# Altium PCB FMC_SDR_XFE.PcbDoc (part 2 of 4) (continued)
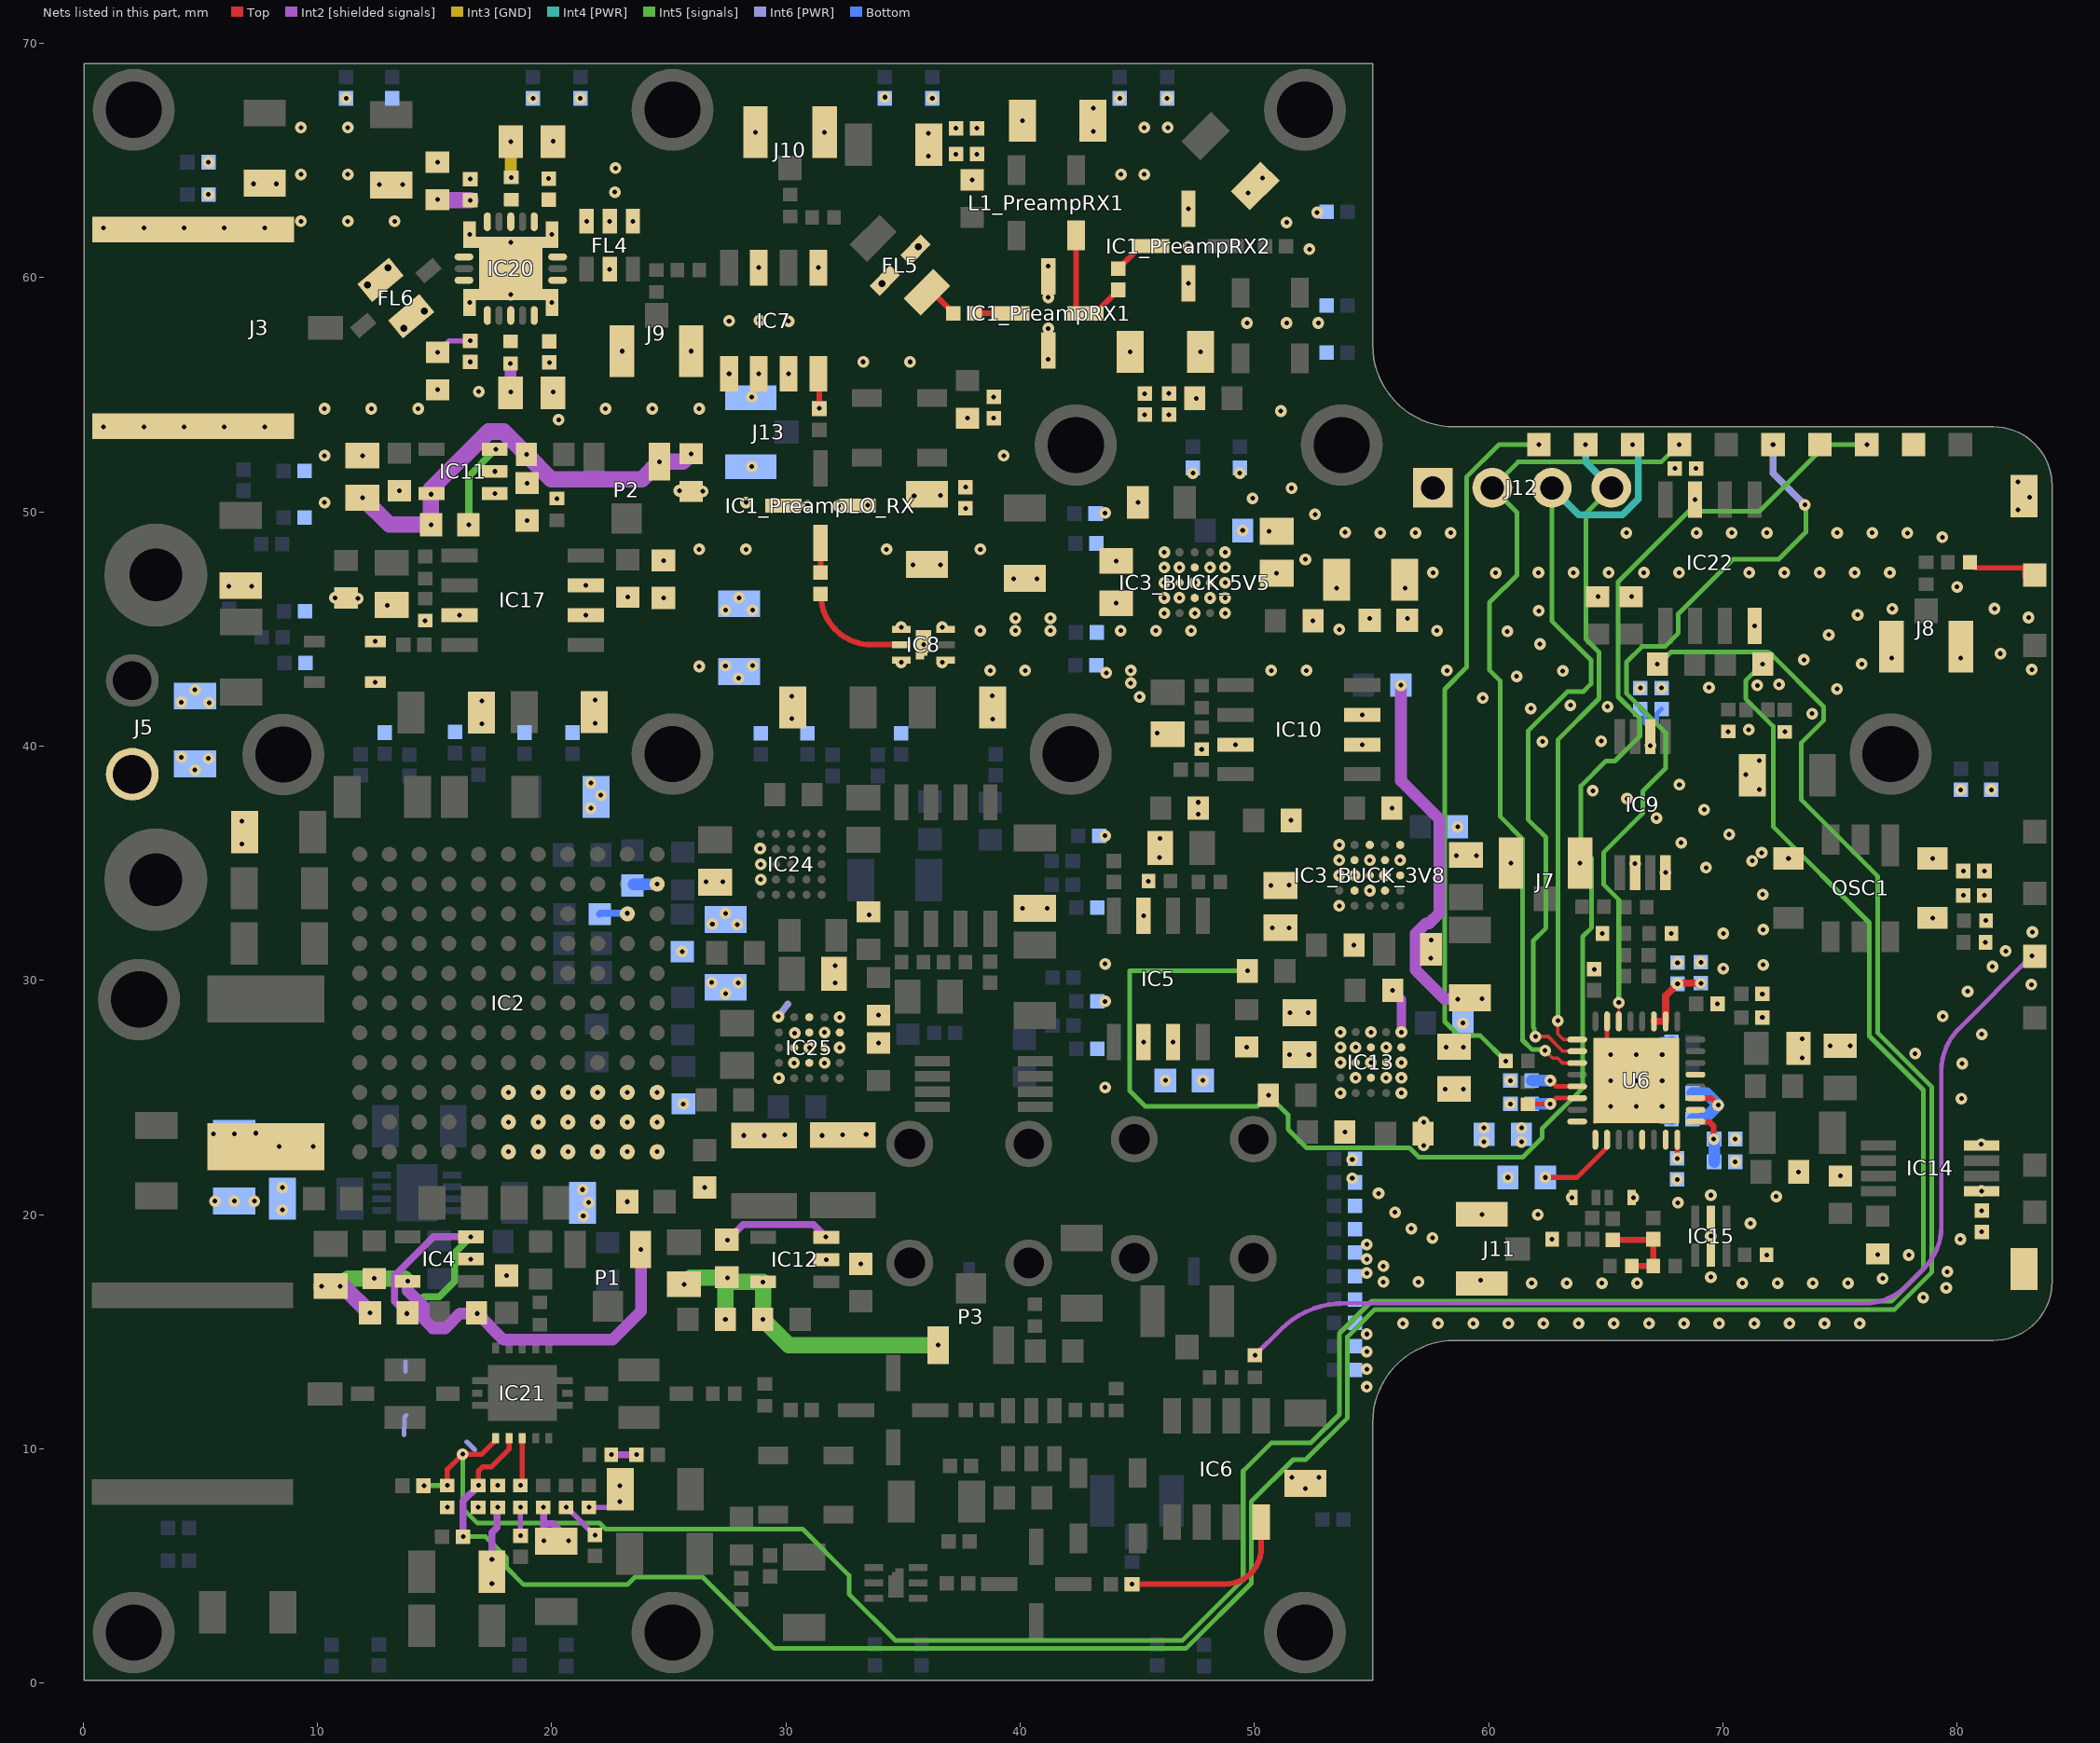
[diagram p8: the nets of this part, all layers, seen from the top]
## Part data (continued)
FL6: library part FIL_MINI-CIRCUITS_BFCN-8350+, "50 Ohm 8250 to 8450MHz Band Pass Filter", Manufacturer=MINI-CIRCUITS, Manufacturer Part Number=BFCN-8350+, Author="CERN DEM MR", ComponentHeight=1.04mm, Component Type=Standard, CreateDate=05.04.2019, HelpURL=\\cern.ch\dfs\Applications\Altium\Datasheets\FIL_MINI-CIRCUITS_BFCN-8350+.pdf, LatestRevisionDate=05.04.2019, Mounted=Yes, Part Description="50 Ohm Band Pass Filter", Part Number=FIL_MINI-CIRCUITS_BFCN-8350+, Pin Count=4, Sense=No, SMD=Yes, Socket=No, Status=None
IC1_PreampLO_RX IC1_PreampRX1 IC1_PreampRX2 IC23_PreampLO_TX IC23_PreampTX: "Monolithic Amplifier", Manufacturer=MINI-CIRCUITS, Author="CERN DEM JLC", Bonding=No, ComponentHeight=0.89mm, ComponentLink1Description="Package Drawing", ComponentLink1URL=\\cern.ch\dfs\Applications\Altium\Datasheets\LEE-39+_Package-Drawing.pdf, Component Type=Standard, CreateDate=17.01.2017, Device=LEE-39+, HelpURL=\\cern.ch\dfs\Applications\Altium\Datasheets\LEE-39+.pdf, LatestRevisionDate=17.01.2017, Manufacturer Part Number=LEE-39+, Mounted=Yes, PackageDescription="MINI-CIRCUITS FG873 Case, 4 pin, 3.0mm W X 3.0mm L", Part Description="DC-8GHz Monolithic Amplifier", Part Number=LEE-39+, Pin Count=4, PressFit=No, Sense=No, SMD=Yes, Socket=No
IC2: "58VIN, 48VOUT Buck-Boost µModule Regulator", Case=BGA121, Manufacturer="LINEAR TECHNOLOGY", Author="CERN DEM JLC", Bonding=No, ComponentHeight=5.12mm, Component Type=Standard, CreateDate=08.04.2019, Device=LTM8056IY#PBF, HelpURL=\\cern.ch\dfs\Applications\Altium\Datasheets\LTM8056IY#PBF.pdf, LatestRevisionDate=08.04.2019, Manufacturer Part Number=LTM8056IY#PBF, Mounted=Yes, PackageDescription="BGA,1.27mm Pitch, Square;121 Pin, 11 Columns X 11 Rows, 15.00mm X 15.00mm X 5.12mm H", Part Description="58VIN, 48VOUT Buck-Boost µModule Regulator", Part Number=LTM8056IY#PBF, Pin Count=121, PressFit=No, Sense=No, SMD=Yes, Socket=No
IC3_BUCK_3V8 IC3_BUCK_5V5 IC13 IC24 IC25: "40VIN, 1.2A Silent Switcher µModule Regulator", Case=BGA25, Manufacturer="LINEAR TECHNOLOGY", Author="CERN DEM JLC", Bonding=No, ComponentHeight=1.98mm, Component Type=Standard, CreateDate=08.04.2019, Device=LTM8074IY#PBF, HelpURL=\\cern.ch\dfs\Applications\Altium\Datasheets\LTM8074IY#PBF.pdf, LatestRevisionDate=08.04.2019, Manufacturer Part Number=LTM8074IY#PBF, Mounted=Yes, PackageDescription="BGA, 0.65mm Pitch, Square; 25 Pin, 5 Columns X 5 Rows, 4.00mm X 4.00mm X 1.98mm H", Part Description="40VIN, 1.2A Silent Switcher µModule Regulator", Part Number=LTM8074IY#PBF, Pin Count=25, PressFit=No, Sense=No, SMD=Yes, Socket=No
IC4 IC11 IC12: "200mA, Low Noise, Low Dropout Negative Micropower Regulator", Case=SOT23-5, Manufacturer="LINEAR TECHNOLOGY", Author="CERN DEM MR", Bonding=No, ComponentHeight=1mm, Component Type=Standard, CreateDate=17.02.2016, Device=LT1964ES5-BYP#TRMPBF, HelpURL=\\cern.ch\dfs\Applications\Altium\Datasheets\LT1964ES5-BYP#TRMPBF.pdf, LatestRevisionDate=17.02.2016, Manufacturer Part Number=LT1964ES5-BYP#TRMPBF, Mounted=Yes, PackageDescription="SOT23, 0.95mm pitch; 5 pin, 1.75mm W X 3.00mm L, IPC Medium Density", Part Description="-1.22V to -20V, 200mA, Low Noise, Low Dropout Negative Micropower Regulator", Part Number=LT1964ES5-BYP#TRMPBF, Pin Count=5, PressFit=No, Sense=No, SMD=Yes, Socket=No
IC5 IC10 IC17 IC19: "1.22V to 20V 500mA, Low Noise, LDO Adjustable Micropower Regulator", Case=SOIC8, Manufacturer="LINEAR TECHNOLOGY", Author="CERN DEM JLC", Bonding=No, ComponentHeight=1.75mm, Component Type=Standard, CreateDate=11.01.2010, Device=LT1763CS8#PBF, HelpURL=\\cern.ch\dfs\Applications\Altium\Datasheets\LT1763CS8#PBF.pdf, LatestRevisionDate=11.01.2010, Manufacturer Part Number=LT1763CS8#PBF, Mounted=Yes, PackageDescription="SOIC 8, Pitch 1.27mm, Body 4x5mm, IPC Medium Density", Part Description="1.22V to 20V 500mA, Low Noise, LDO Adjustable Micropower Regulator", Part Number=LT1763CS8#PBF, Pin Count=8, PressFit=No, Sense=No, SMD=Yes, Socket=No
IC6 IC7: "Level 7 (LO Power +7 dBm) 3400 to 15000 MHz", Manufacturer=MINI-CIRCUITS, Author="CERN DEM JLC", Bonding=No, ComponentHeight=2.21mm, Component Type=Standard, CreateDate=29.10.2014, Device=SIM-153+, HelpURL=\\cern.ch\dfs\Applications\Altium\Datasheets\SIM-24MH+.pdf, LatestRevisionDate=29.10.2014, Manufacturer Part Number=SIM-153+, Mounted=Yes, PackageDescription="MINI-CIRCUITS HV1195 Case, 1.27mm pitch; 8 pin, 4.57mm W X 5.08mm L", Part Description="Frequency Mixer - Level 13 (LO Power +13 dBm) 7300 to 20000MHz", Part Number=SIM-153+, Pin Count=8, PressFit=No, Sense=No, SMD=Yes, Socket=No
IC8 IC16: "DC to 18GHz, 2W, 50 Ohm, 4dB Attenuator", Manufacturer=MINI-CIRCUITS, Author="CERN DEM JLC", Bonding=No, ComponentHeight=0.85mm, Component Type=Standard, CreateDate=20.04.2015, Device=YAT-3+, HelpURL=\\cern.ch\dfs\Applications\Altium\Datasheets\YAT-3+.pdf, LatestRevisionDate=20.04.2015, Manufacturer Part Number=YAT-3+, Mounted=Yes, PackageDescription="MINI-CIRCUITS MC1630 Case, 0.65mm pitch, 6 pin, 2mm X 2mm X 0.85mm H body (w/thermal tab 0.65 X 1.25mm)", Part Description="DC to 18GHz,  2W, 50 Ohms, 3dB Attenuator", Part Number=YAT-3+, Pin Count=7, PressFit=No, Sense=No, SMD=Yes, Socket=No
IC9: "3.3 V and 2.5 V LVCMOS 1:2  High-Performance Clock Buffer", Case=TSSOP8, Manufacturer="TEXAS INSTRUMENTS", Author="CERN DEM JLC", Bonding=No, ComponentHeight=1.2mm, Component Type=Standard, CreateDate=28.02.2011, Device=CDCLVC1102PW, HelpURL=\\cern.ch\dfs\Applications\Altium\Datasheets\CDCLVC1102PW.pdf, LatestRevisionDate=28.02.2011, Manufacturer Part Number=CDCLVC1102PW, Mounted=Yes, PackageDescription="SOP, 0.65mm pitch; 8 pin, 4.40mm W X 3.00mm L X 1.20mm H body, IPC Medium Density", Part Description="3.3 V and 2.5 V LVCMOS 1:2 High-Performance Clock Buffer", Part Number=CDCLVC1102PW, Pin Count=8, PressFit=No, Sense=No, SMD=Yes, Socket=No
IC14 IC18: "3.3V 20Mbps RS485/RS422 Transceivers", Case=MSOP8, Manufacturer="LINEAR TECHNOLOGY", Author="CERN DEM JLC", Bonding=No, ComponentHeight=1.1mm, Component Type=Standard, CreateDate=14.12.2010, Device=LTC2851CMS8#PBF, HelpURL=\\cern.ch\dfs\Applications\Altium\Datasheets\LTC2851CMS8#PBF.pdf, LatestRevisionDate=14.12.2010, Manufacturer Part Number=LTC2851CMS8#PBF, Mounted=Yes, PackageDescription="SOP, 0.65mm pitch; 8 pin, 3.00mm W X 3.00mm L X 1.10mm H body, IPC Medium Density", Part Description="3.3V 20Mbps RS485/RS422 Transceivers", Part Number=LTC2851CMS8#PBF, Pin Count=8, PressFit=No, Sense=No, SMD=Yes, Socket=No
IC15: "2 Way-90° Power Splitter,50? 4000 to 8000 MHz", Manufacturer=MINI-CIRCUITS, Author="SH based on CERN", Bonding=No, ComponentHeight=0.84mm, Component Type=Standard, CreateDate=27.10.2019, Device=QCS-83+, HelpURL=\\cern.ch\dfs\Applications\Altium\Datasheets\ADP-2-1W+.pdf, LatestRevisionDate=27.10.2019, Manufacturer Part Number=QCS-83+, Mounted=Yes, PackageDescription=MINI-CIRCUITS_GE0805C-1, Part Description="2 Way-0°, 50 Ohms, 1 to 650MHz, Power Splitter/Combiner", Part Number=QCS-83+, Pin Count=6, PressFit=No, Sense=No, SMD=Yes, Socket=No
IC20: "7-14GHz GaAs Low Noise Amplifier", Case=QFN16, Manufacturer=QORVO, Author="CERN DEM JLC", Bonding=No, ComponentHeight=0.9mm, Component Type=Standard, CreateDate=01.04.2019, Device=QPA2609, HelpURL=\\cern.ch\dfs\Applications\Altium\Datasheets\QPA2609.pdf, LatestRevisionDate=01.04.2019, Manufacturer Part Number=QPA2609, Mounted=Yes, PackageDescription="QFN, 0.50mm Pitch, Square; 16 Pin, 4.00mm L X 4.00mm W X 0.9mm H Body (w/thermal Tab 2.75 X 2.75mm)", Part Description="7-14GHz GaAs Low Noise Amplifier", Part Number=QPA2609, Pin Count=17, PressFit=No, Sense=No, SMD=Yes, Socket=No
IC21: "7-10.5GHz 4.5W GaN Power Amplifier", Case=QFN16, Manufacturer=QORVO, Author="CERN DEM JLC", Bonding=No, ComponentHeight=1.91mm, Component Type=Standard, CreateDate=26.03.2019, Device=TGA3042-SM, HelpURL=\\cern.ch\dfs\Applications\Altium\Datasheets\TGA3042-SM.pdf, LatestRevisionDate=26.03.2019, Manufacturer Part Number=TGA3042-SM, Mounted=Yes, PackageDescription="QFN, 0.566mm Pitch X, 0.525 Pitch Y, Square; 16 Pin, 4.5mm L X 4.5mm W X 1.74mm H Body", Part Description="7-10.5GHz 4.5W GaN Power Amplifier", Part Number=TGA3042-SM, Pin Count=17, PressFit=No, Sense=No, SMD=Yes, Socket=No
IC22: "Precision, Unity-Gain Differential Amplifier", Case=SOIC8, Manufacturer="TEXAS INSTRUMENTS", Author="CERN DEM JLC", Bonding=No, ComponentHeight=1.75mm, Component Type=Standard, CreateDate=07.01.2008, Device=INA105KU, HelpURL=\\cern.ch\dfs\Applications\Altium\Datasheets\INA105KU.pdf, LatestRevisionDate=07.01.2008, Manufacturer Part Number=INA105KU, Mounted=Yes, PackageDescription="SOIC 8, Pitch 1.27mm, Body 4x5mm, IPC Medium Density", Part Description="Precision, Unity-Gain Differential Amplifier", Part Number=INA105KU, Pin Count=7, PressFit=No, Sense=No, SMD=Yes, Socket=No
IC26: "Adjustable 1.1A Single Resistor Low Dropout Regulator", Case=SON8, Manufacturer="LINEAR TECHNOLOGY", Author="CERN DEM JLC", Bonding=No, ComponentHeight=0.8mm, Component Type=Standard, CreateDate=18.01.2010, Device=LT3080EDD#PBF, HelpURL=\\cern.ch\dfs\Applications\Altium\Datasheets\LT3080EDD#PBF.pdf, LatestRevisionDate=18.01.2010, Manufacturer Part Number=LT3080EDD#PBF, Mounted=Yes, PackageDescription="SON, (DFN) 0.50mm,pitch; 8 pin,3.00mm W X 3.00mm L X 0.80mm H body (w/thermal tab 1.75 X2.48mm), IPC Medium Density", Part Description="0 To 36V Adjustable 1.1A Single Resistor Low Dropout Regulator", Part Number=LT3080EDD#PBF, Pin Count=9, PressFit=No, Sense=No, SMD=Yes, Socket=No
J1 J3: Manufacturer=TELEGARTNER, Manufacturer Part Number=J01151A0451, Part Number=TELEGARTNER_J01151A0451, Author="CERN DEM JLC", ComponentHeight=7mm, Component Type=Standard, CreateDate=27/10/2016, Family=SMA, HelpURL=\\cern.ch\dfs\Applications\Altium\Datasheets\TELEGARTNER_J01151A0451.pdf, LatestRevisionDate=27/10/2016, Mounted=Yes, Part Description="SMA 50 ohms Edge Mount Bulkhead Jack Receptacle", Pin Count=2, PressFit=No, Sense=No, SMD=No, Socket=No, Status=None
J2 J6: library part ROSENBERGER_19S103-400L5, Manufacturer=ROSENBERGER, Manufacturer Part Number=19S103-400L5, Author="CERN DEM JMW", ComponentHeight=4.1mm, Component Type=Standard, CreateDate=29.11.2017, Family=SMP, HelpURL=\\cern.ch\dfs\Applications\Altium\Datasheets\ROSENBERGER_19S103-400L5.pdf, LatestRevisionDate=29.11.2017, Mounted=Yes, Part Description="SMP Straight Plug PCB, 50 Ohms, DC to 26.5GHz", Part Number=ROSENBERGER_19S103-400L5, Pin Count=5, PressFit=No, Sense=No, SMD=Yes, Socket=No, Status=None
J4 J7 J8 J9 J10 J11 J13 J14: library part HIROSE_U.FL-R-SMT-1(10), Manufacturer="HIROSE (HRS)", Manufacturer Part Number=U.FL-R-SMT-1(10), Author="CERN DEM JLC", ComponentHeight=1.25mm, Component Type=Standard, CreateDate=24.03.2010, Family=U.FL, HelpURL=\\cern.ch\dfs\Applications\Altium\Datasheets\HIROSE_U.FL-R-SMT-1(10).pdf, LatestRevisionDate=24.03.2010, Mounted=Yes, Part Description="Up to 6GHz Ultra Small Surface Mount Male Coaxial Connectors U.FL Series", Part Number=HIROSE_U.FL-R-SMT-1(10), Pin Count=2, PressFit=No, Sense=No, SMD=Yes, Socket=No, Status=None
J5: library part CON_M80-5000000M5-02-333-00-000, "2pin (2 power), THT socket with M2 jackscrews", Manufacturer=Harwin, Part Number=M80-5L10405M5-02-333-00-000, Bonding=No, Case=M80-5000000M5-02-333-00-000, ComponentHeigth=6.05mm, Component Type=Standard, CreateDate=2018-06-18, Device=M80-5000000M5-02-333-00-000, HelpURL=https://www.harwin.com/products/M80-5000000M5-02-333-00-000/, LatestRevisionDate=2018-06-18, Manufacturer Part Number=M80-5000000M5-02-333-00-000, Mounted=Yes, PackageDescription="H=6.05mm, W=18mm, D=8.6mm", Part Description="2pin (2 power), THT socket with M2 jackscrews", Pin Count=6, PressFit=No, Sense=No, SMD=No, Socket=No
J12: library part SAMTEC_HW-04-15-L-S-400-150, "Connector 4 Male", Manufacturer=SAMTEC, Manufacturer Part Number=HW-04-15-L-S-400-150, Author="CERN DEM MR", ComponentHeight=16mm, Component Type=Standard, CreateDate=07.06.2018, Family="Header 4", HelpURL=\\cern.ch\dfs\Applications\Altium\Datasheets\SAMTEC_HW-04-15-L-S-400-150.pdf, LatestRevisionDate=07.06.2018, Mounted=Yes, Part Description="4 Contacts, Pitch 2.54mm, Single Row Straight .Flex Stack, Flexible Board Stacker (Stacker Height = 10.16mm(400), Tail Length 3.81mm (150))", Part Number=SAMTEC_HW-04-15-L-S-400-150, Pin Count=4, PressFit=No, Sense=No, SMD=No, Socket=No, Status=None
L1_PreampLO_RX L1_PreampRX1 L1_PreampRX2 L4_PreampLO_TX L4_PreampTX: library part IND_MINI-CIRCUITS_TCCH-80+, "50 Ohms, 50 to 8200 MHz RF Choke", Manufacturer=MINI-CIRCUITS, Manufacturer Part Number=TCCH-80+, Power=200mA, Resistance=0.1R, Author="CERN DEM JLC", ComponentHeight=3.81mm, Component Type=Standard, CreateDate=19.12.2011, HelpURL=\\cern.ch\dfs\Applications\Altium\Datasheets\IND_MINI-CIRCUITS_TCCH-80+.pdf, LatestRevisionDate=19.12.2011, Mounted=Yes, Part Description="50 Ohms, 50 to 8200 MHz RF Choke", Part Number=IND_MINI-CIRCUITS_TCCH-80+, Pin Count=4, Sense=No, SMD=Yes, Socket=No, Status=None
L2 L3: library part IND0402_15NH_2%_COILCRAFT_0402DC, "Inductor With Core", Case=0402, Manufacturer=COILCRAFT, Manufacturer Part Number=0402DC-15NXGRW, Power=1A, Resistance=0.115R, Tolerance=±2%, Author="CERN DEM JLC", ComponentHeight=0.61mm, Component Type=Standard, CreateDate=04.12.2018, HelpURL=\\cern.ch\dfs\Applications\Altium\Datasheets\IND0402_COILCRAFT_0402DC.pdf, LatestRevisionDate=04.12.2018, Mounted=Yes, Part Description="Ceramic Wirewound Chip Inductor, 0402DC Series", Part Number=IND0402_15NH_2%_COILCRAFT_0402DC, Pin Count=2, Sense=No, SMD=Yes, Socket=No, Status=None
OSC1: library part OSC_20MHZ_KYOCERA_KT7050A20000KAW33TAD, "Oscillator KYOCERA", Manufacturer=KYOCERA, Manufacturer Part Number=KT7050A20000KAW33TAD, Author="CERN DEM MR", Bonding=No, ComponentHeight=1.7mm, Component Type=Standard, CreateDate=01.12.2017, HelpURL=\\cern.ch\dfs\Applications\Altium\Datasheets\OSC_KYOCERA_KT7050.pdf, LatestRevisionDate=01.12.2017, Mounted=Yes, PackageDescription="Oscillator KT7050A Series, 10 pins, 5x7mm", Part Description="3.3V, ± 0.28ppm, -40°C ..+85°C, Temperature Compensated Crystal Oscillator (TCXO)", Part Number=OSC_20MHZ_KYOCERA_KT7050A20000KAW33TAD, Pin Count=10, PressFit=No, Sense=No, SMD=Yes, Socket=No
P1 P2 P3: library part TRIM_11T_50K_BOURNS_3223W-1-503E, "Trimming Potentiometer", Case=3223W, Manufacturer=BOURNS, Manufacturer Part Number=3223W-1-503E, Power=0.125W, Tolerance=±20%, Author="CERN DEM JLC", ComponentHeight=4.16mm, Component Type=Standard, CreateDate=31.03.2011, HelpURL=\\cern.ch\dfs\Applications\Altium\Datasheets\TRIM_BOURNS_3223W.pdf, LatestRevisionDate=18.12.2012, Mounted=Yes, Part Description="11 Turns SMD Trimpot® Trimming Potentiometer (Top Adjust)", Part Number=TRIM_11T_50K_BOURNS_3223W-1-503E, Pin Count=3, PressFit=No, Sense=No, SMD=Yes, Socket=No, TC=±100ppm/°C
R1 R8 R9 R36 R44 R65 R66 R67 R69 R72 R107: library part R0402_0R_JUMPER, "Resistor", Case=0402, Manufacturer=GENERIC, Manufacturer1 ComponentHeight=0.4mm, Manufacturer1 Example="YAGEO PHYCOMP", Manufacturer1 Part Number=232270591001L, Author="CERN DEM JLC", Component Type=Standard, CreateDate=03.12.2007, HelpURL=\\cern.ch\dfs\Applications\Altium\Datasheets\R0402_Phycomp_RC0402.pdf, LatestRevisionDate=17.10.2012, Manufacturer Part Number=R0402_0R_JUMPER, Mounted=Yes, Part Description="1A (0.05R Max DC Resistance) Zero Ohm Jumper", Part Number=R0402_0R_JUMPER, Pin Count=2, PressFit=No, Sense=No, SMD=Yes, Socket=No, Status="Not Recommended"
R2 R3 R4 R5 R6 R7 R25 R54 R55 R64 R68 R104 R106 R116: library part R0402_NO-VALUE, "Resistor", Case=0402, Author="CERN DEM JLC", Component Type=Standard, CreateDate=03.12.2007, HelpURL=Undefined, LatestRevisionDate=13.03.2008, Manufacturer=Undefined, Manufacturer1 ComponentHeight=Undefined, Manufacturer1 Example=Undefined, Manufacturer1 Part Number=Undefined, Manufacturer Part Number=R0402_NO-VALUE, Mounted=No, Part Description="Reserved Footprint For a 0402 (1005) Chip Resistor", Part Number=R0402_NO-VALUE, Pin Count=2, PressFit=No, Sense=No, SMD=Yes, Socket=No, Status=None
R10 R38 R81 R108: library part R1206_NO-VALUE, "Resistor", Case=1206, Manufacturer1 ComponentHeight=0.65mm, Author="CERN DEM JLC", Component Type=Standard, CreateDate=03.12.2007, HelpURL=Undefined, LatestRevisionDate=13.03.2008, Manufacturer=Undefined, Manufacturer1 Example=Undefined, Manufacturer1 Part Number=Undefined, Manufacturer Part Number=R1206_NO-VALUE, Mounted=No, Part Description="Reserved Footprint For a 1206 (3216) Chip Resistor", Part Number=R1206_NO-VALUE, Pin Count=2, PressFit=No, Sense=No, SMD=Yes, Socket=No, Status=None
R11 R52: library part R0805_40K2_1%_0.125W_100PPM, "Resistor - 1%", Case=0805, Manufacturer=VISHAY, Manufacturer1 ComponentHeight=0.6mm, Manufacturer1 Part Number=CRCW080540K2FKEA, Power=0.125W, Tolerance=±1%, Author="CERN DEM JLC", Component Type=Standard, CreateDate=18.04.2013, HelpURL=\\cern.ch\dfs\Applications\Altium\Datasheets\R2512_VISHAY_CRCW0805.pdf, LatestRevisionDate=18.04.2013, Manufacturer1 Example=VISHAY, Manufacturer Part Number=R0805_40K2_1%_0.125W_100PPM, Mounted=Yes, Part Description="Thick Film Chip Resistor", Part Number=R0805_40K2_1%_0.125W_100PPM, Pin Count=2, PressFit=No, Sense=No, SMD=Yes, Socket=No, Status=None, TC=±100ppm/°C
R12 R16 R20 R26 R31 R33 R56 R61 R63 R70 R83 R88 R89 R90 R91 R92 R105 R113 R115 R117_BUCK_3V8 R117_BUCK_5V5 R118 R119 R120 R125 R132 R133 R142: library part R0603_0R_JUMPER, "Resistor", Case=0603, Manufacturer=GENERIC, Manufacturer1 ComponentHeight=0.55mm, Manufacturer1 Example="NIC COMPONENT", Manufacturer1 Part Number=NRC06Z0, Author="CERN DEM JLC", Component Type=Standard, CreateDate=03.12.2007, HelpURL=\\cern.ch\dfs\Applications\Altium\Datasheets\R0603_NIC_NRC.pdf, LatestRevisionDate=13.03.2008, Manufacturer Part Number=R0603_0R_JUMPER, Mounted=Yes, Part Description="1A (0.05R Max DC Resistance) Zero Ohm Jumper", Part Number=R0603_0R_JUMPER, Pin Count=2, PressFit=No, Sense=No, SMD=Yes, Socket=No, Status=Preferred
R13: library part R0603_100K_0.1%_0.063W_10PPM, "Resistor - 0.1%", Case=0603, Manufacturer=GENERIC, Manufacturer1 ComponentHeight=0.55mm, Manufacturer1 Example="TYCO HOLSWORTHY", Manufacturer1 Part Number=RN73C1J100KBTDF, Power=0.063W, Tolerance=±0.1%, Author="CERN DEM JLC", Component Type=Standard, CreateDate=03.12.2007, HelpURL=\\cern.ch\dfs\Applications\Altium\Datasheets\R0603_Tyco_RN73.pdf, LatestRevisionDate=13.03.2008, Manufacturer Part Number=R0603_100K_0.1%_0.063W_10PPM, Mounted=Yes, Part Description="Thin Film Chip Resistor", Part Number=R0603_100K_0.1%_0.063W_10PPM, Pin Count=2, PressFit=No, Sense=No, SMD=Yes, Socket=No, Status="Not Recommended", TC=±10ppm
R14: library part R0603_42K2_0.1%_0.063W_10PPM, "Resistor - 0.1%", Case=0603, Manufacturer=GENERIC, Manufacturer1 ComponentHeight=0.5mm, Manufacturer1 Example="TYCO HOLSWORTHY", Manufacturer1 Part Number=RN73C1J42K2BTDF, Power=0.063W, Tolerance=±0.1%, Author="CERN DEM JLC", Component Type=Standard, CreateDate=03.12.2007, HelpURL=\\cern.ch\dfs\Applications\Altium\Datasheets\R0603_Tyco_RN73.pdf, LatestRevisionDate=13.03.2008, Manufacturer Part Number=R0603_42K2_0.1%_0.063W_10PPM, Mounted=Yes, Part Description="Thin Film Chip Resistor", Part Number=R0603_42K2_0.1%_0.063W_10PPM, Pin Count=2, PressFit=No, Sense=No, SMD=Yes, Socket=No, Status="Not Recommended", TC=±10ppm
R15: library part R0603_6K19_0.1%_0.063W_10PPM, "Resistor - 0.1%", Case=0603, Manufacturer=GENERIC, Manufacturer1 ComponentHeight=0.5mm, Manufacturer1 Example="TYCO HOLSWORTHY", Manufacturer1 Part Number=RN73C1J6K19BTDF, Power=0.063W, Tolerance=±0.1%, Author="CERN DEM JLC", Component Type=Standard, CreateDate=03.12.2007, HelpURL=\\cern.ch\dfs\Applications\Altium\Datasheets\R0603_Tyco_RN73.pdf, LatestRevisionDate=13.03.2008, Manufacturer Part Number=R0603_6K19_0.1%_0.063W_10PPM, Mounted=Yes, Part Description="Thin Film Chip Resistor", Part Number=R0603_6K19_0.1%_0.063W_10PPM, Pin Count=2, PressFit=No, Sense=No, SMD=Yes, Socket=No, Status="Not Recommended", TC=±10ppm
R17 R18 R22 R24 R27 R28 R30 R32 R35 R50 R57 R150: library part R0603_NO-VALUE, "Resistor", Case=0603, Author="CERN DEM JLC", Component Type=Standard, CreateDate=03.12.2007, HelpURL=Undefined, LatestRevisionDate=13.03.2008, Manufacturer=Undefined, Manufacturer1 ComponentHeight=Undefined, Manufacturer1 Example=Undefined, Manufacturer1 Part Number=Undefined, Manufacturer Part Number=R0603_NO-VALUE, Mounted=No, Part Description="Reserved Footprint For a 0603 (1608) Chip Resistor", Part Number=R0603_NO-VALUE, Pin Count=2, PressFit=No, Sense=No, SMD=Yes, Socket=No, Status=None
R19: library part R0805_62K_1%_0.125W_100PPM, "Resistor - 1%", Case=0805, Manufacturer=GENERIC, Manufacturer1 ComponentHeight=0.6mm, Manufacturer1 Example="NIC COMPONENT", Manufacturer1 Part Number=NRC10F6202TRF, Power=0.125W, Tolerance=±1%, Author="CERN DEM JLC", Component Type=Standard, CreateDate=03.12.2007, HelpURL=\\cern.ch\dfs\Applications\Altium\Datasheets\R0805_NIC_NRC.pdf, LatestRevisionDate=13.03.2008, Manufacturer Part Number=R0805_62K_1%_0.125W_100PPM, Mounted=Yes, Part Description="General Purpose Thick Film Chip Resistor", Part Number=R0805_62K_1%_0.125W_100PPM, Pin Count=2, PressFit=No, Sense=No, SMD=Yes, Socket=No, Status=Preferred, TC=±100ppm/°C
R21 R37 R80 R82 R95 R98 R112 R114: library part R1206_0R_JUMPER, "Resistor", Case=1206, Manufacturer=GENERIC, Manufacturer1 ComponentHeight=0.65mm, Manufacturer1 Example="NIC COMPONENT", Manufacturer1 Part Number=NRC12Z0, Author="CERN DEM JLC", Component Type=Standard, CreateDate=03.12.2007, HelpURL=\\cern.ch\dfs\Applications\Altium\Datasheets\R1206_NIC_NRC.pdf, LatestRevisionDate=13.03.2008, Manufacturer Part Number=R1206_0R_JUMPER, Mounted=Yes, Part Description="2A (0.05R Max DC Resistance) Zero Ohm Jumper", Part Number=R1206_0R_JUMPER, Pin Count=2, PressFit=No, Sense=No, SMD=Yes, Socket=No, Status=Preferred
R23 R29 R34: library part R0402_10K_1%_0.0625W_100PPM, "Resistor - 1%", Case=0402, Manufacturer=GENERIC, Manufacturer1 ComponentHeight=0.4mm, Manufacturer1 Example="YAGEO PHYCOMP", Manufacturer1 Part Number=232270671003L, Power=0.0625W, Tolerance=±1%, Author="CERN DEM JLC", Component Type=Standard, CreateDate=03.12.2007, HelpURL=\\cern.ch\dfs\Applications\Altium\Datasheets\R0402_Phycomp_RC0402.pdf, LatestRevisionDate=17.10.2012, Manufacturer Part Number=R0402_10K_1%_0.0625W_100PPM, Mounted=Yes, Part Description="General Purpose Thick Film Chip Resistor", Part Number=R0402_10K_1%_0.0625W_100PPM, Pin Count=2, PressFit=No, Sense=No, SMD=Yes, Socket=No, Status="Not Recommended", TC=±100ppm/°C
R39: library part R0603_68R_1%_0.1W_100PPM, "Resistor - 1%", Case=0603, Manufacturer=GENERIC, Manufacturer1 ComponentHeight=0.55mm, Manufacturer1 Example="NIC COMPONENT", Manufacturer1 Part Number=NRC06F68R0TRF, Power=0.1W, Tolerance=±1%, Author="CERN DEM JLC", Component Type=Standard, CreateDate=03.12.2007, HelpURL=\\cern.ch\dfs\Applications\Altium\Datasheets\R0603_NIC_NRC.pdf, LatestRevisionDate=13.03.2008, Manufacturer Part Number=R0603_68R_1%_0.1W_100PPM, Mounted=Yes, Part Description="General Purpose Thick Film Chip Resistor", Part Number=R0603_68R_1%_0.1W_100PPM, Pin Count=2, PressFit=No, Sense=No, SMD=Yes, Socket=No, Status=Preferred, TC=±100ppm/°C
R40: library part R0603_430R_1%_0.1W_100PPM, "Resistor - 1%", Case=0603, Manufacturer=GENERIC, Manufacturer1 ComponentHeight=0.55mm, Manufacturer1 Example="NIC COMPONENT", Manufacturer1 Part Number=NRC06F4300TRF, Power=0.1W, Tolerance=±1%, Author="CERN DEM JLC", Component Type=Standard, CreateDate=03.12.2007, HelpURL=\\cern.ch\dfs\Applications\Altium\Datasheets\R0603_NIC_NRC.pdf, LatestRevisionDate=13.03.2008, Manufacturer Part Number=R0603_430R_1%_0.1W_100PPM, Mounted=Yes, Part Description="General Purpose Thick Film Chip Resistor", Part Number=R0603_430R_1%_0.1W_100PPM, Pin Count=2, PressFit=No, Sense=No, SMD=Yes, Socket=No, Status=Preferred, TC=±100ppm/°C
R41 R43: library part R0402_27K_1%_0.0625W_100PPM, "Resistor - 1%", Case=0402, Manufacturer=GENERIC, Manufacturer1 ComponentHeight=0.4mm, Manufacturer1 Example="YAGEO PHYCOMP", Manufacturer1 Part Number=232270672703L, Power=0.0625W, Tolerance=±1%, Author="CERN DEM JLC", Component Type=Standard, CreateDate=03.12.2007, HelpURL=\\cern.ch\dfs\Applications\Altium\Datasheets\R0402_Phycomp_RC0402.pdf, LatestRevisionDate=17.10.2012, Manufacturer Part Number=R0402_27K_1%_0.0625W_100PPM, Mounted=Yes, Part Description="General Purpose Thick Film Chip Resistor", Part Number=R0402_27K_1%_0.0625W_100PPM, Pin Count=2, PressFit=No, Sense=No, SMD=Yes, Socket=No, Status="Not Recommended", TC=±100ppm/°C
R42 R46 R47 R48 R49 R53: library part R0402_5R1_1%_0.0625W_100PPM, "Resistor - 1%", Case=0402, Manufacturer=GENERIC, Manufacturer1 ComponentHeight=0.4mm, Manufacturer1 Example=VISHAY, Manufacturer1 Part Number=CRCW04025R10FKED, Power=0.0625W, Tolerance=±1%, Author="CERN DEM MR", Component Type=Standard, CreateDate=22.11.2016, HelpURL="\\cern.ch\dfs\Applications\Altium\Datasheets\R0402_VISHAY_CRCW e3.pdf", LatestRevisionDate=22.11.2016, Manufacturer Part Number=R0402_5R1_1%_0.0625W_100PPM, Mounted=Yes, Part Description="General Purpose Thick Film Chip Resistor", Part Number=R0402_5R1_1%_0.0625W_100PPM, Pin Count=2, PressFit=No, Sense=No, SMD=Yes, Socket=No, Status="Not Recommended", TC=±100ppm/°C
R45: library part R0402_1M_1%_0.0625W_100PPM, "Resistor - 1%", Case=0402, Manufacturer=GENERIC, Manufacturer1 ComponentHeight=0.4mm, Manufacturer1 Example="YAGEO PHYCOMP", Manufacturer1 Part Number=232270671005L, Power=0.0625W, Tolerance=±1%, Author="CERN DEM JLC", Component Type=Standard, CreateDate=03.12.2007, HelpURL=\\cern.ch\dfs\Applications\Altium\Datasheets\R0402_Phycomp_RC0402.pdf, LatestRevisionDate=17.10.2012, Manufacturer Part Number=R0402_1M_1%_0.0625W_100PPM, Mounted=Yes, Part Description="General Purpose Thick Film Chip Resistor", Part Number=R0402_1M_1%_0.0625W_100PPM, Pin Count=2, PressFit=No, Sense=No, SMD=Yes, Socket=No, Status="Not Recommended", TC=±100ppm/°C
R51_BUCK_3V8 R51_BUCK_5V5 R62 R99 R101: library part R0603_18K_1%_0.1W_100PPM, "Resistor - 1%", Case=0603, Manufacturer=GENERIC, Manufacturer1 ComponentHeight=0.55mm, Manufacturer1 Example="NIC COMPONENT", Manufacturer1 Part Number=NRC06F1802TRF, Power=0.1W, Tolerance=±1%, Author="CERN DEM JLC", Component Type=Standard, CreateDate=03.12.2007, HelpURL=\\cern.ch\dfs\Applications\Altium\Datasheets\R0603_NIC_NRC.pdf, LatestRevisionDate=13.03.2008, Manufacturer Part Number=R0603_18K_1%_0.1W_100PPM, Mounted=Yes, Part Description="General Purpose Thick Film Chip Resistor", Part Number=R0603_18K_1%_0.1W_100PPM, Pin Count=2, PressFit=No, Sense=No, SMD=Yes, Socket=No, Status=Preferred, TC=±100ppm/°C
R58_PreampLO_RX R58_PreampRX1 R58_PreampRX2 R59_PreampLO_TX R59_PreampTX: library part R0603_43R_1%_0.1W_100PPM, "Resistor - 1%", Case=0603, Manufacturer=GENERIC, Manufacturer1 ComponentHeight=0.55mm, Manufacturer1 Example="NIC COMPONENT", Manufacturer1 Part Number=NRC06F43R0TRF, Power=0.1W, Tolerance=±1%, Author="CERN DEM JLC", Component Type=Standard, CreateDate=03.12.2007, HelpURL=\\cern.ch\dfs\Applications\Altium\Datasheets\R0603_NIC_NRC.pdf, LatestRevisionDate=13.03.2008, Manufacturer Part Number=R0603_43R_1%_0.1W_100PPM, Mounted=Yes, Part Description="General Purpose Thick Film Chip Resistor", Part Number=R0603_43R_1%_0.1W_100PPM, Pin Count=2, PressFit=No, Sense=No, SMD=Yes, Socket=No, Status=Preferred, TC=±100ppm/°C
R60 R100: library part R0603_45K3_0.1%_0.063W_10PPM, "Resistor - 0.1%", Case=0603, Manufacturer=GENERIC, Manufacturer1 ComponentHeight=0.5mm, Manufacturer1 Example="TYCO HOLSWORTHY", Manufacturer1 Part Number=RN73C1J45K3BTDF, Power=0.063W, Tolerance=±0.1%, Author="CERN DEM JLC", Component Type=Standard, CreateDate=03.12.2007, HelpURL=\\cern.ch\dfs\Applications\Altium\Datasheets\R0603_Tyco_RN73.pdf, LatestRevisionDate=13.03.2008, Manufacturer Part Number=R0603_45K3_0.1%_0.063W_10PPM, Mounted=Yes, Part Description="Thin Film Chip Resistor", Part Number=R0603_45K3_0.1%_0.063W_10PPM, Pin Count=2, PressFit=No, Sense=No, SMD=Yes, Socket=No, Status="Not Recommended", TC=±10ppm
R71 R73 R74 R75: library part R0402_49R9_1%_0.0625W_100PPM, "Resistor - 1%", Case=0402, Manufacturer=GENERIC, Manufacturer1 ComponentHeight=0.4mm, Manufacturer1 Example="YAGEO PHYCOMP", Manufacturer1 Part Number="232270674999L or RC0402FR-0749R9L", Power=0.0625W, Tolerance=±1%, Author="CERN DEM JLC", Component Type=Standard, CreateDate=24.10.2012, HelpURL=\\cern.ch\dfs\Applications\Altium\Datasheets\R0402_Phycomp_RC0402.pdf, LatestRevisionDate=24.10.2012, Manufacturer Part Number=R0402_49R9_1%_0.0625W_100PPM, Mounted=Yes, Part Description="General Purpose Thick Film Chip Resistor", Part Number=R0402_49R9_1%_0.0625W_100PPM, Pin Count=2, PressFit=No, Sense=No, SMD=Yes, Socket=No, Status="Not Recommended", TC=±100ppm/°C
R76 R77: library part R0603_75K_1%_0.1W_100PPM, "Resistor - 1%", Case=0603, Manufacturer=GENERIC, Manufacturer1 ComponentHeight=0.55mm, Manufacturer1 Example="NIC COMPONENT", Manufacturer1 Part Number=NRC06F7502TRF, Power=0.1W, Tolerance=±1%, Author="CERN DEM JLC", Component Type=Standard, CreateDate=03.12.2007, HelpURL=\\cern.ch\dfs\Applications\Altium\Datasheets\R0603_NIC_NRC.pdf, LatestRevisionDate=13.03.2008, Manufacturer Part Number=R0603_75K_1%_0.1W_100PPM, Mounted=Yes, Part Description="General Purpose Thick Film Chip Resistor", Part Number=R0603_75K_1%_0.1W_100PPM, Pin Count=2, PressFit=No, Sense=No, SMD=Yes, Socket=No, Status=Preferred, TC=±100ppm/°C
R78: library part R0603_2K7_1%_0.1W_100PPM, "Resistor - 1%", Case=0603, Manufacturer=GENERIC, Manufacturer1 ComponentHeight=0.55mm, Manufacturer1 Example="YAGEO PHYCOMP", Manufacturer1 Part Number=RC0603FR-072K7L, Power=0.1W, Tolerance=±1%, Author="CERN DEM JLC", Component Type=Standard, CreateDate=02.05.2011, HelpURL=\\cern.ch\dfs\Applications\Altium\Datasheets\R0603_PHYCOMP_RC0603.pdf, LatestRevisionDate=02.05.2011, Manufacturer Part Number=R0603_2K7_1%_0.1W_100PPM, Mounted=Yes, Part Description="General Purpose Thick Film Chip Resistor", Part Number=R0603_2K7_1%_0.1W_100PPM, Pin Count=2, PressFit=No, Sense=No, SMD=Yes, Socket=No, Status=Preferred, TC=±100ppm/°C
R79: library part R0603_510R_1%_0.1W_100PPM, "Resistor - 1%", Case=0603, Manufacturer=GENERIC, Manufacturer1 ComponentHeight=0.5mm, Manufacturer1 Example=VISHAY, Manufacturer1 Part Number=CRCW0603510RFKEA, Power=0.1W, Tolerance=±1%, Author="CERN DEM JLC", Component Type=Standard, CreateDate=03.12.2007, HelpURL="\\cern.ch\dfs\Applications\Altium\Datasheets\R0603_VISHAY_CRCW e3.pdf", LatestRevisionDate=21.03.2018, Manufacturer Part Number=R0603_510R_1%_0.1W_100PPM, Mounted=Yes, Part Description="General Purpose Thick Film Chip Resistor", Part Number=R0603_510R_1%_0.1W_100PPM, Pin Count=2, PressFit=No, Sense=No, SMD=Yes, Socket=No, Status=Preferred, TC=±100ppm/°C